# KiCad board PCB_C.kicad_pcb
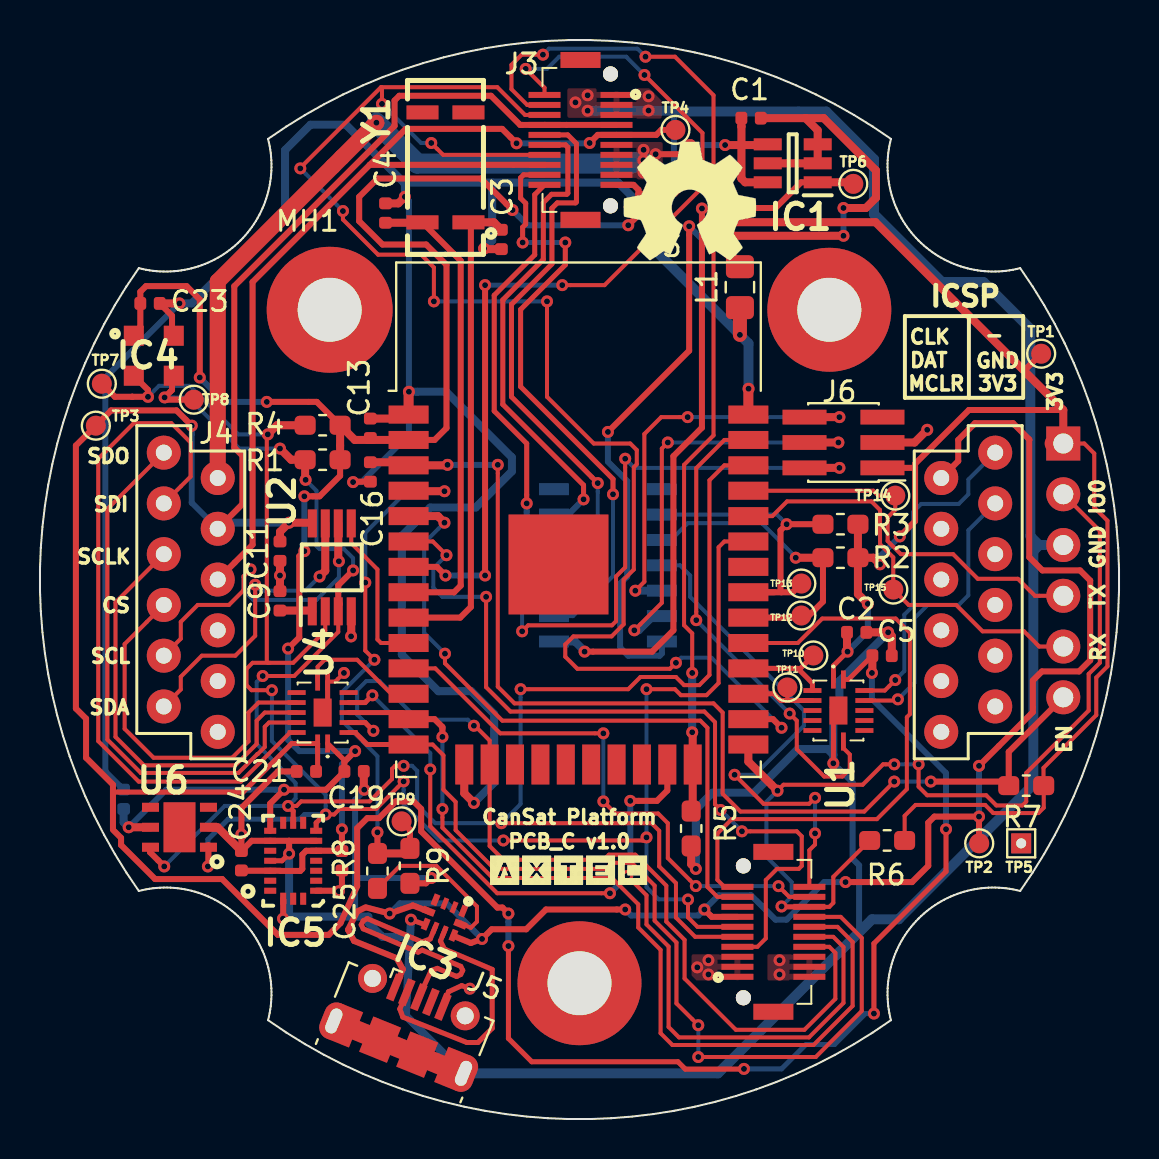
[diagram p0: board, top side]
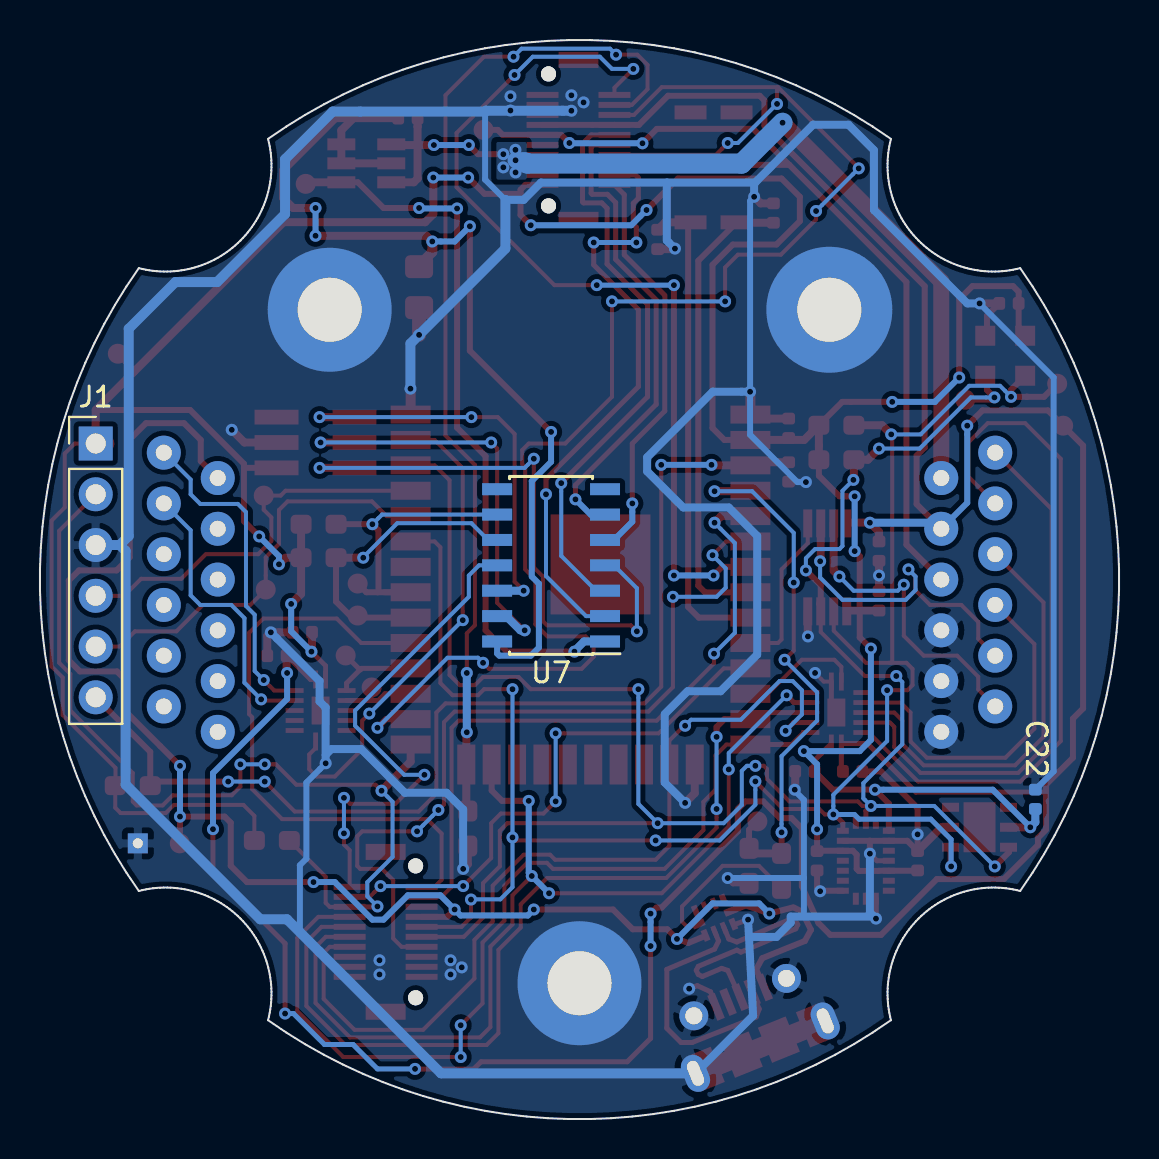
[diagram p1: board, bottom side, seen from below]

Outline 53.99 x 53.99 mm; copper layers: Top, Bottom. Coordinates in mm from the lower left corner of the outline.

## Placement (name value [footprint] x y rotation side)
C1  1uF  [C_0402_1005Metric]  35.58 50.08 180 top
C2  100nF  [C_0402_1005Metric]  40.86 24.35 0 top
C3  4.3pF  [C_0402_1005Metric]  23.08 44.01 270 top
C4  4.3pF  [C_0402_1005Metric]  17.29 45.33 90 top
C5  100nF  [C_0402_1005Metric]  42.13 23.18 0 top
C9  100nF  [C_0402_1005Metric]  12.01 25.93 90 top
C11  100nF  [C_0402_1005Metric]  12.01 28.42 270 top
C13  1uF  [C_0402_1005Metric]  16.53 34.56 270 top
C16  1uF  [C_0402_1005Metric]  16.53 32.38 90 top
C19  100nF  [C_0402_1005Metric]  15.72 17.39 0 top
C21  100nF  [C_0402_1005Metric]  13.33 17.39 180 top
C22  100nF  [C_0402_1005Metric]  4.19 16 90 bottom
C23  1uF  [C_0402_1005Metric]  5.51 40.81 180 top
C24  100nF  [C_0402_1005Metric]  10.08 12.92 90 top
C25  100nF  [C_0402_1005Metric]  15.11 12.92 270 top
IC1  MCP1501T-33E_CHY  [SOT95P270X145-6N]  37.66 47.82 180 top
IC3  BQ24392RSER  [RSE(R-PUQFN-N10)]  20.24 10.08 158 top
IC4  MS563702BA03-50  [MS5637_1]  5.69 38.19 0 top
IC5  BMX055  [LGA_PACKAGE_20_PINS]  12.67 12.92 180 top
J1  Conn_01x06  [PinHeader_1x06_P2.54mm_Vertical]  51.2 33.8 180 bottom
J3  Conector_PCB_B-C  [Conector_PCB_B-C_Lado_C]  26.99 26.99 0 top
J4  -  [Conector_Expansion_CanSat]  26.99 26.99 0 top
J5  USB_B_Micro  [USB_Micro-B_Molex-105017-0001]  18.41 4.74 338 top
J6  Conn_02x03_Counter_Clockwise  [PinHeader_2x03_P1.27mm_Vertical_SMD]  40.2 33.85 180 top
JP1  BOM_Jumper  [Empty_Footprint]  47.62 53.11 0 top
L1  Inductor  [L_0805_2012Metric_Pad1.15x1.40mm_HandSolder]  35.02 41.63 90 top
LOGO  -  [Logo_AXTEC]  22.52 13.74 0 top
M1  Spacer  [Empty_Footprint]  51 50.57 0 top
M2  Spacer  [Empty_Footprint]  50.5 50.57 0 top
M3  Spacer  [Empty_Footprint]  50 50.57 0 top
MH1  -  [MH_CanSat]  26.99 26.99 0 top
R1  10k  [R_0603_1608Metric_Pad1.05x0.95mm_HandSolder]  14.14 32.99 180 top
R2  10k  [R_0603_1608Metric_Pad1.05x0.95mm_HandSolder]  40.05 28.09 180 top
R3  10k  [R_0603_1608Metric_Pad1.05x0.95mm_HandSolder]  40.05 29.76 180 top
R4  10k  [R_0603_1608Metric_Pad1.05x0.95mm_HandSolder]  14.14 34.72 180 top
R5  100k  [R_0603_1608Metric_Pad1.05x0.95mm_HandSolder]  32.58 14.54 90 top
R6  100k  [R_0603_1608Metric_Pad1.05x0.95mm_HandSolder]  42.39 13.94 0 top
R7  100k  [R_0603_1608Metric_Pad1.05x0.95mm_HandSolder]  49.35 16.68 0 top
R8  5k6  [R_0603_1608Metric_Pad1.05x0.95mm_HandSolder]  16.89 12.42 90 top
R9  10k  [R_0603_1608Metric_Pad1.05x0.95mm_HandSolder]  18.51 12.67 270 top
REF**  -  [PCB_mayor_diametro]  26.99 26.99 0 top
REF**#2  -  [OSHW-Symbol_6.7x6mm_SilkScreen]  32.51 45.92 0 top
TP1  TestPoint_3V3int  [TestPoint_Pad_D1.0mm]  50.09 38.29 0 top
TP2  TestPoint_VBUS  [TestPoint_Pad_D1.0mm]  46.99 13.79 0 top
TP3  TestPoint_3V3ext  [TestPoint_Pad_D1.0mm]  2.79 34.69 0 top
TP4  TestPoint_5Vext  [TestPoint_Pad_D1.0mm]  31.79 49.49 0 top
TP5  TestPoint_GND  [TestPoint_THTPad_1.0x1.0mm_Drill0.5mm]  49.09 13.79 0 top
TP6  TestPoint_VREF  [TestPoint_Pad_D1.0mm]  40.69 46.79 0 top
TP7  TestPoint_SDAint  [TestPoint_Pad_D1.0mm]  3.09 36.79 0 top
TP8  TestPoint_SCLint  [TestPoint_Pad_D1.0mm]  7.69 35.99 0 top
TP9  TestPoint_CHGDTC  [TestPoint_Pad_D1.0mm]  18.09 14.89 0 top
TP10  TestPoint_RXard  [TestPoint_Pad_D1.0mm]  38.69 23.19 0 top
TP11  TestPoint_TXard  [TestPoint_Pad_D1.0mm]  37.39 21.59 0 top
TP12  TestPoint_SCLPIC  [TestPoint_Pad_D1.0mm]  38.09 25.19 0 top
TP13  TestPoint_SDAPIC  [TestPoint_Pad_D1.0mm]  38.09 26.79 0 top
TP14  TestPoint_TXDBG  [TestPoint_Pad_D1.0mm]  42.79 31.19 0 top
TP15  TestPoint_RXDBG  [TestPoint_Pad_D1.0mm]  42.69 26.49 0 top
U1  NTB0104BQ,115  [NTB0104BQ115]  39.95 20.44 270 top
U2  TCA9802DGKR  [SOP65P490X110-8N]  14.6 27.6 90 top
U3  -  [ESP32-WROOM-32]  26.94 26.99 0 top
U4  NTB0104BQ,115  [NTB0104BQ115]  14.14 20.34 90 top
U6  Si7006-A20-IM1  [SON100P300X300X80-7N]  6.98 14.6 180 top
U7  PIC16LF18325-ISL  [SOIC-14_3.9x8.7mm_P1.27mm]  28.42 27.71 0 bottom
Y1  LFXTAL016178  [LFXTAL016178_1]  20.29 47.62 90 top

## Footprints (pads in the part's own frame, mm; a bottom-side part is the same pattern mirrored in y, then rotated)
C_0402_1005Metric
  rrect 0.59x0.64 smd: 1(-0.485,0) 2(0.485,0)
Conector_Expansion_CanSat
  round 1.7 hole 0.8: 1(20.8,6.35) 2(20.8,3.81) 3(20.8,1.27) 4(20.8,-1.27) 5(20.8,-3.81) 6(20.8,-6.35) 7(18.1,5.08) 8(18.1,2.54) 9(18.1,0) 10(18.1,-2.54) 11(18.1,-5.08) 12(18.1,-7.62) 13(-18.1,5.08) 14(-18.1,2.54) 15(-18.1,0) 16(-18.1,-2.54) 17(-18.1,-5.08) 18(-18.1,-7.62) 19(-20.8,6.35) 20(-20.8,3.81) 21(-20.8,1.27) 22(-20.8,-1.27) 23(-20.8,-3.81) 24(-20.8,-6.35)
Conector_PCB_B-C_Lado_C
  rect 1.6x0.3 smd: 1(1.85,24.25) 2(1.85,23.75) 3(1.85,23.25) 4(1.85,22.75) 5(1.85,22.25) 6(1.85,21.75) 7(1.85,21.25) 8(1.85,20.75) 9(1.85,20.25) 10(1.85,19.75) 11(-1.75,19.75) 12(-1.75,20.25) 13(-1.75,20.75) 14(-1.75,21.25) 15(-1.75,21.75) 16(-1.75,22.25) 17(-1.75,22.75) 18(-1.75,23.25) 19(-1.75,23.75) 20(-1.75,24.25) 21(7.9,-19.878) 22(7.9,-19.378) 23(7.9,-18.878) 24(7.9,-18.378) 25(7.9,-17.878) 26(7.9,-17.378) 27(7.9,-16.878) 28(7.9,-16.378) 29(7.9,-15.878) 30(7.9,-15.378) 31(11.5,-15.378) 32(11.5,-15.878) 33(11.5,-16.378) 34(11.5,-16.878) 35(11.5,-17.378) 36(11.5,-17.878) 37(11.5,-18.378) 38(11.5,-18.878) 39(11.5,-19.378) 40(11.5,-19.878)
  rect 2x0.8 smd: 41(0.05,26) 42(0.05,18) 43(9.7,-21.628) 44(9.7,-13.628)
  round 0.75 hole 0.75: 45(1.55,25.3) 46(1.55,18.7) 47(8.2,-20.928) 48(8.2,-14.328)
ESP32-WROOM-32
  rect 2x0.9 smd: 1(-8.5,8.255) 2(-8.5,6.985) 3(-8.5,5.715) 4(-8.5,4.445) 5(-8.5,3.175) 6(-8.5,1.905) 7(-8.5,0.635) 8(-8.5,-0.635) 9(-8.5,-1.905) 10(-8.5,-3.175) 11(-8.5,-4.445) 12(-8.5,-5.715) 13(-8.5,-6.985) 14(-8.5,-8.255) 25(8.5,-8.255) 26(8.5,-6.985) 27(8.5,-5.715) 28(8.5,-4.445) 29(8.5,-3.175) 30(8.5,-1.905) 31(8.5,-0.635) 32(8.5,0.635) 33(8.5,1.905) 34(8.5,3.175) 35(8.5,4.445) 36(8.5,5.715) 37(8.5,6.985) 38(8.5,8.255)
  rect 0.9x2 smd: 15(-5.715,-9.255) 16(-4.445,-9.255) 17(-3.175,-9.255) 18(-1.905,-9.255) 19(-0.635,-9.255) 20(0.635,-9.255) 21(1.905,-9.255) 22(3.175,-9.255) 23(4.445,-9.255) 24(5.715,-9.255)
  rect 5x5 smd: 39(-1,0.755)
L_0805_2012Metric_Pad1.15x1.40mm_HandSolder
  rrect 1.15x1.4 smd: 1(-1.025,0) 2(1.025,0)
LFXTAL016178_1
  rect 0.7x1.6 smd: 1(-2.75,-1.15) 2(2.75,-1.15) 3(2.75,1.15) 4(-2.75,1.15)
LGA_PACKAGE_20_PINS
  rect 0.6x0.3 smd: 1(1.15,1.5) 2(1.15,1) 3(1.15,0.5) 4(1.15,0) 5(1.15,-0.5) 6(1.15,-1) 7(1.15,-1.5) 11(-1.15,-1.5) 12(-1.15,-1) 13(-1.15,-0.5) 14(-1.15,0) 15(-1.15,0.5) 16(-1.15,1) 17(-1.15,1.5)
  rect 0.3x0.6 smd: 8(0.5,-1.9) 9(0,-1.9) 10(-0.5,-1.9) 18(-0.5,1.9) 19(0,1.9) 20(0.5,1.9)
MH_CanSat
  round 6.3 hole 3.2: 1(-12.5,13.5)
  round 6.2 hole 3.2: 2(12.5,13.5) 3(0,-20.2)
MS5637_1
  rect 1x1 smd: 1(-1,1) 2(-1,-1) 3(1,-1) 4(1,1)
NTB0104BQ115
  rect 0.9x0.24 smd: 1(-1.55,-0.25) 7(1.55,-0.25) 8(1.55,0.25) 14(-1.55,0.25)
  rect 0.24x0.9 smd: 2(-1,-1.3) 3(-0.5,-1.3) 4(0,-1.3) 5(0.5,-1.3) 6(1,-1.3) 9(1,1.3) 10(0.5,1.3) 11(0,1.3) 12(-0.5,1.3) 13(-1,1.3)
  rect 1.4x0.9 smd: 15(0,0)
PinHeader_1x06_P2.54mm_Vertical
  rect 1.7x1.7 hole 1: 1(0,0)
  oval 1.7x1.7 hole 1: 2(0,-2.54) 3(0,-5.08) 4(0,-7.62) 5(0,-10.16) 6(0,-12.7)
PinHeader_2x03_P1.27mm_Vertical_SMD
  rect 2.2x0.74 smd: 1(-1.95,1.27) 2(1.95,1.27) 3(-1.95,0) 4(1.95,0) 5(-1.95,-1.27) 6(1.95,-1.27)
R_0603_1608Metric_Pad1.05x0.95mm_HandSolder
  rrect 1.05x0.95 smd: 1(-0.875,0) 2(0.875,0)
RSE(R-PUQFN-N10)
  rect 0.3x0.58 smd: 1(-0.75,-0.655) 4(0.75,-0.655) 6(0.75,0.655) 9(-0.75,0.655)
  rect 0.25x0.58 smd: 2(-0.25,-0.655) 3(0.25,-0.655) 7(0.25,0.655) 8(-0.25,0.655)
  rect 0.63x0.35 smd: 5(0.86,0) 10(-0.86,0)
SOIC-14_3.9x8.7mm_P1.27mm
  rect 1.5x0.6 smd: 1(-2.7,3.81) 2(-2.7,2.54) 3(-2.7,1.27) 4(-2.7,0) 5(-2.7,-1.27) 6(-2.7,-2.54) 7(-2.7,-3.81) 8(2.7,-3.81) 9(2.7,-2.54) 10(2.7,-1.27) 11(2.7,0) 12(2.7,1.27) 13(2.7,2.54) 14(2.7,3.81)
SON100P300X300X80-7N
  rect 0.85x0.45 smd: 1(-1.45,1) 2(-1.45,0) 3(-1.45,-1) 4(1.45,-1) 5(1.45,0) 6(1.45,1)
  rect 1.6x2.5 smd: 7(0,0)
SOP65P490X110-8N
  rect 1.4x0.45 smd: 1(-2.2,0.975) 2(-2.2,0.325) 3(-2.2,-0.325) 4(-2.2,-0.975) 5(2.2,-0.975) 6(2.2,-0.325) 7(2.2,0.325) 8(2.2,0.975)
SOT95P270X145-6N
  rect 1.4x0.6 smd: 1(-1.25,0.95) 2(-1.25,0) 3(-1.25,-0.95) 4(1.25,-0.95) 5(1.25,0) 6(1.25,0.95)
TestPoint_Pad_D1.0mm
  round 1 smd: 1(0,0)
TestPoint_THTPad_1.0x1.0mm_Drill0.5mm
  rect 1x1 hole 0.5: 1(0,0)
USB_Micro-B_Molex-105017-0001
  rect 0.4x1.35 smd: 1(-1.3,1.462) 2(-0.65,1.462) 3(0,1.462) 4(0.65,1.462) 5(1.3,1.462)
  oval 1.2x1.9 hole 0.6x1.3: 6(-3.5,-1.238) 6(3.5,-1.238)
  rect 1.2x1.9 smd: 6(-2.9,-1.238) 6(2.9,-1.238)
  round 1.45 hole 0.85: 6(-2.5,1.462) 6(2.5,1.462)
  rect 1.5x1.9 smd: 6(-1,-1.238) 6(1,-1.238)

## Nets
+3V3: C5.1 C11.1 C21.1 J3.4 J3.17 J4.14 TP3.1 U1.14 U2.8 U4.14
+3V3_Internal: C2.1 C9.1 C13.2 C19.1 C22.1 C23.2 C24.1 C25.1 IC4.1 IC5.3 IC5.7 IC5.13 J1.1 J3.10 J6.1 R1.1 R2.1 R3.1 R4.1 R6.2 R7.2 TP1.1 U1.1 U2.1 U3.2 U4.1 U6.5
+5V: J3.5 J3.13 J4.15 TP4.1
GND: C2.2 C3.2 C4.2 C5.2 C9.2 C11.2 C13.1 C16.1 C19.2 C21.2 C22.2 C23.1 C24.2 C25.2 IC3.6 IC4.4 IC5.4 IC5.6 IC5.12 IC5.17 IC5.20 J1.3 J3.1 J3.2 J3.3 J3.21 J3.22 J3.23 J3.38 J3.39 J3.40 J4.16 J4.17 J4.18 J5.5 J5.6 J6.3 L1.1 MH1.1 MH1.2 MH1.3 R5.1 R9.2 TP5.1 U1.7 U1.15 U2.4 U3.1 U3.15 U3.38 U4.7 U4.15 U6.2
GNDA: C1.1 IC1.2 IC1.3 IC1.5 L1.2 U7.14
VBUS: IC3.5 IC3.9 J3.27 J4.7 J5.1 TP2.1
+BATT: C1.2 IC1.4 IC1.6 J3.6 J3.7 J3.8 J3.9 J4.13
/+VREF: IC1.1 TP6.1 U7.1
/AUX_ENABLE: J3.14 J3.18 U3.26
/CHG: J3.29 U3.5
/CHG_DETECT: R8.2 R9.1 TP9.1 U3.4
/CS: J3.36 U3.23 U4.5
/EN: C16.2 J1.6 R7.1 U3.3
/EXT_CS: J4.22 U4.10
/EXT_IO0: J4.1 U1.13
/EXT_IO1: J4.2 U1.12
/EXT_MISO: J4.20 U4.13
/EXT_MOSI: J4.19 U4.12
/EXT_SCLK: J4.21 U4.11
/GPIO0: J1.2 J3.33 R6.1 U3.25
/GPOUT: J3.24 U3.6
/GPS_TX: J3.20 U3.7
/I2C_EN: U2.5 U3.10
/I_SENSE_3V3: J3.16 U7.3
/I_SENSE_5V: J3.12 U7.2
/I_SENSE_BATT: J3.31 U7.11
/ICSDAT: J6.4 U7.13
/ICSPCLK: J6.6 U7.12
/IMU/ACC_INT: IC5.1
/IMU/GYRO_INT: IC5.14
/IMU/MAG_INT: IC5.10
/IO_EN: U1.8 U3.37
/ISET: J3.30 U3.29
/MCLR: J6.2 U7.4
/P1: J3.19 R5.2 U3.24
/RX_ARDUINO: TP10.1 U1.2 U3.28
/RX_DEBUG: J1.5 TP15.1 U3.34
/S_GLOBO: J3.32 U3.11
/SCL: IC4.3 IC5.9 J3.25 R1.2 TP8.1 U2.3 U3.36 U6.6
/SCL_EXT: J4.23 U2.6
/SCL_PIC16: R2.2 TP12.1 U3.30 U7.10
/SCLK: J3.35 U3.13 U4.4
/SDA: IC4.2 IC5.11 J3.26 R4.2 TP7.1 U2.2 U3.33 U6.1
/SDA_EXT: J4.24 U2.7
/SDA_PIC16: R3.2 TP13.1 U3.31 U7.9
/SDI: J3.37 U3.16 U4.3
/SDO: J3.34 U3.14 U4.2
/SPI_BUFFER_EN: U3.12 U4.8
/TX_ARDUINO: TP11.1 U1.3 U3.27
/TX_DEBUG: J1.4 TP14.1 U3.35
/V_SENSE_3V3: J3.15 U7.6
/V_SENSE_5V: J3.11 U7.5
Net-(C3-Pad1): C3.1 U3.9 Y1.1
Net-(C4-Pad1): C4.1 U3.8 Y1.4
Net-(IC3-Pad1): IC3.1
Net-(IC3-Pad2): IC3.2
Net-(IC3-Pad3): IC3.3
Net-(IC3-Pad4): IC3.4
Net-(IC3-Pad7): IC3.7 J5.3
Net-(IC3-Pad8): IC3.8 J5.2
Net-(IC3-Pad10): IC3.10 R8.1
Net-(IC5-Pad2): IC5.2
Net-(IC5-Pad5): IC5.5
Net-(IC5-Pad8): IC5.8
Net-(IC5-Pad15): IC5.15
Net-(IC5-Pad16): IC5.16
Net-(IC5-Pad18): IC5.18
Net-(IC5-Pad19): IC5.19
Net-(J3-Pad28): J3.28
Net-(J3-Pad41): J3.41
Net-(J3-Pad42): J3.42
Net-(J3-Pad43): J3.43
Net-(J3-Pad44): J3.44
Net-(J4-Pad3): J4.3
Net-(J4-Pad4): J4.4
Net-(J4-Pad5): J4.5
Net-(J4-Pad6): J4.6
Net-(J4-Pad8): J4.8
Net-(J4-Pad9): J4.9
Net-(J4-Pad10): J4.10
Net-(J4-Pad11): J4.11
Net-(J4-Pad12): J4.12
Net-(J5-Pad4): J5.4
Net-(J6-Pad5): J6.5
Net-(U1-Pad4): U1.4
Net-(U1-Pad5): U1.5
Net-(U1-Pad6): U1.6
Net-(U1-Pad9): U1.9
Net-(U1-Pad10): U1.10
Net-(U1-Pad11): U1.11
Net-(U3-Pad17): U3.17
Net-(U3-Pad18): U3.18
Net-(U3-Pad19): U3.19
Net-(U3-Pad20): U3.20
Net-(U3-Pad21): U3.21
Net-(U3-Pad22): U3.22
Net-(U3-Pad32): U3.32
Net-(U4-Pad6): U4.6
Net-(U4-Pad9): U4.9
Net-(U6-Pad3): U6.3
Net-(U6-Pad4): U6.4
Net-(U6-Pad7): U6.7
Net-(U7-Pad7): U7.7
Net-(U7-Pad8): U7.8
Net-(Y1-Pad2): Y1.2
Net-(Y1-Pad3): Y1.3

Pads without a net: J3 45 46 47 48; U3 39

## Via types
v1: diameter 0.6, hole 0.3, Top to Bottom, 182 vias

## Routing (per net, layer and track width the routed paths; a pad name or vN(x,y) marks a point on that pad's centre or on a via; arc(x,y) is an arc through that point)
+3V3: length 168.4
  Top w0.2: 35.22,2.5 v1(35.22,2.51) ; 3.68,16.36 3.65,16.33
  Top w0.24: U1.14 40.46,21.99 C5.1
  Top w0.25: v1(23.44,8.66) 23.44,4.03 24.61,2.86 31.92,2.86 32.29,2.5 35.21,2.5 35.22,2.5 ; 3.68,16.36 10.16,16.36 12.59,18.79 U4.14 13.89,17.47 C21.1 ; v1(45.33,14.5) 45.33,12.39 41.73,8.78 v1(41.73,5.28) ; 3.65,14.47 3.73,14.4
  Top w0.3: J4.14 10.13,30.77 10.13,33.19 9.72,33.6 9.72,41.68 17.74,49.69 17.74,50.96 17.98,51.2 22.57,51.2 24.02,49.74 J3.17 J3.4 ; 3.73,14.4 4.06,14.07 4.06,13.71 5.76,12.01 9.11,12.01 11.91,9.21 14.45,9.21 15.04,9.8 15.87,11.65 15.87,14.55 16.38,15.06 16.96,15.06 17.8,15.89 18.69,15.89 19.07,15.52 19.07,14.39 22.88,10.58 23.14,10.58 v1(23.44,10.28) ; v1(7.59,34.69) 6.83,35.46 3.56,35.46 1.8,33.7 1.8,20.54 2.31,20.04 2.31,18.08 3.65,16.73 3.65,14.47
  Top w0.4: U2.8 13.59,29.84 v1(12.47,29.84) 12.01,29.38 C11.1 ; C5.1 41.65,22.34 v1(41.63,22.32)
  Bottom w0.25: v1(35.22,2.51) 37.1,2.51 38.32,3.73 39.75,3.73 41.3,5.28 v1(41.73,5.28)
  Bottom w0.3: v1(23.44,10.28) v1(23.44,8.66) ; v1(45.33,14.5) 45.33,17.31 41.63,21.02 v1(41.63,22.32) ; v1(7.59,34.69) 7.59,30.83 J4.14 9.57,29.53
  Bottom w0.4: v1(12.47,29.84) 9.2,29.84 J4.14
+3V3_Internal: length 197.1
  Top w0.2: J1.1 52.25,33.8 52.75,33.3 52.75,30.6 53.41,29.94 53.41,22.65 52.85,22.09 52.85,20.21 50.21,17.57 50.21,16.69 R7.2 50.22,15.58 49.96,15.31 47.7,15.31 47.29,15.72 43.81,15.72 43.26,15.17 R6.2 ; 12.02,12.42 12.03,12.42
  Top w0.24: v1(40.41,23.39) 39.7,22.68 U1.1
  Top w0.25: 4.91,39.22 4.91,39.22 ; C19.1 15.23,17.95 U4.1 ; 13.82,13.43 IC5.13 ; IC5.7 11.37,14.42 ; 10.09,12.42 C24.1
  Top w0.3: IC5.13 13.32,13.42 13.13,13.23 13.13,12.52 13.02,12.42 12.03,12.42 ; J6.1 43.78,32.58 ; 43.78,32.58 43.78,32.79 46.48,35.48 51.2,35.48 ; 43.78,32.58 43.78,29.92 v1(43.02,29.15) ; v1(15.11,14.5) C25.1 ; v1(32.57,47.11) 31.75,46.29 29.94,46.29 ; 4.61,39.22 5.02,39.64 C23.2 5.02,41.39 5.3,41.68 7.34,41.68 8,41.02 v1(8,37.1) ; IC5.7 11.52,15.79 v1(12.21,16.48) 14.32,16.48 C19.1 15.23,17.87 v1(15.77,18.41) ; v1(11.35,35.88) 13.85,35.88 R4.1 ; U3.2 19.74,33.98 20.34,34.58 20.34,42.74 19.32,43.76 17.14,43.76 15.97,44.93 15.97,46.15 16.89,47.06 22.07,47.06 v1(23.64,45.49) ; 29.94,46.29 29.94,45.24 v1(29.43,44.72) ; 29.94,46.29 29.94,46.5 29.7,46.74 J3.10 ; R1.1 15.02,32.19 13.99,31.16 v1(13.23,31.16) ; 12.02,12.42 IC5.3 10.09,12.42 ; v1(13.23,28.42) 12.97,28.16 12.97,24.1 v1(12.42,23.54) ; 15.13,13.43 13.82,13.43 ; 49.29,37.38 49.29,37.49 TP1.1
  Top w0.4: 15.02,32.74 R4.1 15.75,33.98 U3.2 ; U2.1 13.59,25.44 C9.1 ; J1.1 51.2,35.48 41.8,44.88 34.72,44.88 34.31,45.28 v1(34.31,47.11) ; C2.1 40.38,23.42 v1(40.41,23.39) ; U6.5 v1(4.44,14.6) ; v1(42.03,27.76) 41.7,28.09 R2.1 ; R2.1 40.93,26.27 v1(41.42,25.78) ; R2.1 R3.1
  Top w1: 50.77,33.8 51.23,33.8
  Bottom w0.3: v1(12.21,16.48) 6.32,16.48 v1(4.44,14.6) ; v1(40.41,23.39) 41.42,24.4 v1(41.42,25.78) ; v1(29.43,44.72) 24.4,44.72 v1(23.64,45.49) ; v1(11.35,35.88) 9.21,35.88 v1(8,37.1) ; v1(42.03,27.76) 42.03,28.16 v1(43.02,29.15) ; v1(15.11,14.5) 15.11,17.75 v1(15.77,18.41) 12.97,18.41 12.42,18.97 v1(12.42,23.54) ; v1(13.23,28.42) v1(13.23,31.16) ; v1(32.57,47.11) v1(34.31,47.11)
  Bottom w0.4: C22.1 4.19,14.85 v1(4.44,14.6)
+5V: length 49.3
  Top w0.3: J4.15 10.64,28.74 10.64,41.88 16.5,47.74 ; 16.5,47.74 18.3,49.55 23.12,49.55 v1(23.85,48.82) ; 16.5,47.74 J3.13 ; TP4.1 31.09,49.49 30.84,49.24 J3.5 27.91,49.24 v1(27.5,48.84)
  Bottom w0.3: v1(23.85,48.82) 27.49,48.82 v1(27.5,48.84)
GND: length 326.9
  Top w0.2: v1(15.21,22.32) 14.78,21.89 U4.7 ; 14.39,20.59 U4.15
  Top w0.24: U1.7 39.7,20.19 U1.15 ; v1(39.69,17.8) 39.7,17.8 39.7,17.86
  Top w0.25: v1(21.51,6.52) 21.1,6.67 20.44,6.37 19.98,5.25 ; v1(12.47,13.28) 12.11,12.92 IC5.4 ; 39.7,17.86 U1.7 ; U4.7 14.39,20.59 ; 19.27,9.72 v1(18.56,9.98)
  Top w0.3: C21.2 11.91,17.39 10.08,15.56 v1(10.08,14.24) C24.2 10.59,13.92 IC5.6 12.47,13.92 ; IC5.17 14.93,11.42 v1(14.96,11.4) 15.11,11.55 C25.2 ; v1(15.67,31.87) 15.69,31.89 C16.1 ; 12.47,13.92 IC5.12 ; 12.47,13.92 v1(12.47,13.28) ; 6.61,39.22 6.61,40.2 C23.1 ; IC5.20 12.17,10.04 v1(12.16,10.03) ; v1(19.58,12.06) 19.31,11.79 R9.2
  Top w0.4: C9.2 v1(12.01,27.2) C11.2 ; J6.3 43.76,33.85 v1(44.39,34.49) ; C13.1 18.24,35.05 U3.1 ; U6.2 8.89,14.6 C24.2 ; v1(16.23,16.48) 16.2,16.5 C19.2 ; C4.2 17.93,45.82 v1(18.26,46.15) ; C5.2 42.62,24.17 v1(42.44,24.35) 41.42,24.35 ; R5.1 32.58,12.75 v1(32.82,12.52) ; v1(21.71,15.82) 21.23,16.3 U3.15 ; U2.4 15.57,24.16 v1(15.56,24.15) ; v1(22.22,43.56) 22.25,43.53 C3.2 ; C23.1 v1(6.98,40.81)
  Top w0.5: U3.1 18.44,36.38 v1(18.46,36.39) ; v1(35.45,36.55) 35.44,36.54 U3.38
  Top w0.7: L1.1 v1(35.02,39.24)
  Top w1: 21.15,2.26 14.7,4.9
  Bottom w0.3: v1(15.67,31.87) 16.09,31.87 18.46,34.24 v1(18.46,36.39) 18.46,45.94 v1(18.26,46.15) ; 30.7,45.99 31.72,47.01 31.72,50.41 ; 15.77,12.06 15.77,15.97 16.23,16.43 v1(16.23,16.48) ; 15.77,12.06 v1(19.58,12.06) ; 15.77,12.06 15.77,10.13 ; v1(39.69,17.8) 40.66,16.83 40.66,13.02 40.99,12.7 40.99,9.35 40,8.36 ; C22.2 3.27,17.4 3.27,37.1 v1(6.98,40.81)
  Bottom w0.4: 18.21,46.86 18.26,46.81 v1(18.26,46.15) ; 18.21,46.86 15.31,49.75 13.53,49.75 12.26,48.48 12.26,45.49 7.59,40.81 v1(6.98,40.81) ; 18.21,46.86 22.63,46.86 ; 39.69,18.22 39.69,20.59 40,20.9 40,21.91 v1(42.44,24.35) ; 39.69,18.22 39.41,18.51 37.92,18.51 35.73,16.33 33.65,16.33 32.82,15.49 v1(32.82,12.52) ; 39.69,18.22 v1(39.69,17.8) ; 22.63,46.86 28.93,46.86 29.79,45.99 30.7,45.99 ; 22.63,46.86 22.63,43.96 v1(22.22,43.56) ; J5.6 18.31,5.17 18.52,9.11 ; v1(18.46,36.39) 20.33,36.39 23.61,33.11 23.61,32.41 21.8,30.6 19.53,30.6 18.1,29.18 18.1,23.24 19.93,21.41 21.58,21.41 22.73,20.26 22.73,16.83 v1(21.71,15.82) ; 8.96,19.37 J4.18 ; v1(18.56,9.98) 18.52,9.11 ; 18.52,9.11 17.14,9.11 16.43,9.82 16.43,10.13 12.26,10.13 v1(12.16,10.03) 12.47,10.33 v1(12.47,13.28)
  Bottom w0.5: 9,24.56 J4.16 ; J5.6 33.92,2.29 41.63,10 42.96,10 49.7,16.73 49.7,28.43 50,28.72 ; 50,28.72 J1.3 ; 50,28.72 49.55,29.17 49.55,39.54 47.21,41.88 45.13,41.88 41.73,45.28 41.73,48.03 39.34,50.41 31.72,50.41 31.68,50.45 v1(27.4,50.45) ; 30.7,45.99 30.7,43.56 v1(35.02,39.24) 35.45,38.81 v1(35.45,36.55)
  vias: v1(26.79,50.87) v1(27.4,51.23) v1(30.45,51.18) v1(30.45,50.46) v1(32.89,7.59) v1(33.45,7.94) v1(33.45,7.23) v1(37,7.94) v1(37,7.23)
GNDA: length 52.2
  Top w0.3: v1(28.42,34.38) 32.48,38.45 v1(32.48,44.67)
  Top w0.4: 38.3,50.08 39.21,50.08 41.83,47.47 41.83,46.1 41.32,45.59 v1(40.2,45.59) ; 38.3,50.08 C1.1 ; 38.3,50.08 38.3,50.08 38.91,49.47 IC1.3 IC1.2 IC1.5 ; v1(34.36,43.91) 34.65,44.2 v1(40.2,44.2)
  Top w0.5: v1(34.36,43.91) 34.36,43.38 34.97,42.77
  Bottom w0.3: v1(32.48,44.67) 33.24,43.91 v1(34.36,43.91) ; v1(40.2,45.59) v1(40.2,44.2) ; v1(28.42,34.38) 28.42,32.89 29.38,31.92 29.38,27.15 29.03,26.79 29.03,23.59 29.43,23.18 31.01,23.18 31.12,23.3 U7.14
VBUS: length 81
  Top w0.3: 21.97,8.96 21.56,8.81 20.7,9.16 ; 17.6,6.22 18.16,7.49 17.85,8.05 15.72,8.91 15.41,9.47 15.87,10.38 16.28,10.59 ; J4.7 45.94,32.92 45.94,33.98 46.78,34.82 48.69,34.82 49.5,34.01 49.5,28.11 50.16,27.45 52.04,27.45 52.55,26.94 52.55,22.95 51.99,22.4 50.13,22.4 49.68,21.94 49.68,20.37 v1(46.98,17.67) ; v1(33.24,10.48) 33.61,10.12 J3.27 ; v1(22.12,9.01) 22.6,9.49 24.33,9.49 25.32,10.48 v1(29.28,10.48) ; 16.33,10.59 v1(17.5,10.28) 18.66,10.69 19.58,10.33 ; v1(40.3,11.86) 43.63,11.86 44.44,12.67 44.44,14.83 44.75,15.13 v1(46.98,15.13) 46.98,13.81 TP2.1
  Bottom w0.3: v1(40.3,11.86) 39.24,11.86 37.36,9.98 36.8,9.98 35.58,11.2 33.95,11.2 v1(33.24,10.48) 32.94,10.18 29.58,10.18 v1(29.28,10.48) ; v1(17.5,10.28) 18,10.79 20.34,10.79 v1(22.12,9.01) ; v1(46.98,17.67) v1(46.98,15.13)
+BATT: length 45.7
  Top w0.3: v1(32.53,48.74) 32.07,48.28 v1(30.8,48.28)
  Top w0.4: 35.1,48.74 35.1,47.07 35.1,47.06 35.29,46.87 IC1.6 ; 35.1,48.74 36.38,48.74 IC1.4 ; 35.1,48.74 v1(34.28,48.74) 34.32,48.77 ; 35.1,48.74 35.1,49.66 35.1,49.66 C1.2 ; 15.01,48.13 15.11,48.13
  Top w0.8: J4.13 8.89,41.91 v1(16.83,49.85)
  Bottom w0.3: v1(32.53,48.74) v1(34.28,48.74)
  Bottom w0.8: 29.65,47.86 29.77,47.98 v1(30.2,47.98)
  Bottom w1: 29.65,47.86 29.6,47.81 18.88,47.81 v1(16.83,49.85)
  vias: v1(30.2,48.5) v1(30.2,47.37) v1(30.8,47.62)
/+VREF: length 36.5
  Top w0.3: v1(33.12,45.56) 33.12,34.59 31.69,33.17 31.69,24.45 30.63,23.39 v1(27.25,23.39) ; v1(35.02,45.59) 36.8,45.59 38.08,46.87 IC1.1 ; 40.62,46.87 TP6.1
  Top w0.4: IC1.1 40.62,46.87
  Bottom w0.3: v1(33.12,45.56) 35,45.56 v1(35.02,45.59) ; 27.25,23.41 v1(27.25,23.39)
  Bottom w0.4: U7.1 26.77,23.9 27.25,23.41
/AUX_ENABLE: length 78.9
  Top w0.2: v1(17.11,50.8) 17.11,51.61 17.09,51.63 ; v1(19.58,48.84) 20.17,48.24 J3.14 ; v1(19.71,40.91) 19.71,42.61 19.07,43.25 16.92,43.25 15.16,45.01 v1(15.16,45.44) 15.06,45.33 ; v1(13.02,47.57) 13.02,47.59 17.06,51.63 17.09,51.63 ; v1(25.37,40.91) 25.37,36.14 27.71,33.8 29.53,33.8 29.86,33.48 29.86,32.76 29.71,32.61 29.71,27.5 29.2,26.99 29.2,24.75 28.6,24.15 26.69,24.15 26.28,23.74 26.28,23.13 26.89,22.53 31.52,22.53 v1(31.82,22.83) ; 17.09,51.63 22.88,51.63 24.27,50.24 J3.18
  Top w0.3: U3.26 36.67,20.01 v1(37.1,19.58)
  Bottom w0.2: v1(19.71,40.91) v1(25.37,40.91) ; v1(31.82,22.83) 32.07,23.08 33.6,23.08 v1(37.1,19.58) ; v1(15.16,45.44) v1(13.02,47.57) ; v1(17.11,50.8) 17.11,50.8 19.07,48.84 v1(19.58,48.84)
/CHG: length 34
  Top w0.2: v1(20.26,23.29) 20.26,22.8 23.13,19.93 33.04,19.93 33.4,19.58 33.4,11.62 33.89,11.12 J3.29
  Top w0.4: U3.5 19.91,30.17 v1(20.24,29.84)
  Bottom w0.2: v1(20.24,29.84) 19.22,28.82 19.22,24.33 v1(20.26,23.29)
/CHG_DETECT: length 27.5
  Top w0.2: v1(16.73,22.98) 16.28,23.44 16.28,26.8 16.3,26.82 v1(16.28,26.84)
  Top w0.3: TP9.1 18.51,14.48 R9.1 18.26,13.29 ; v1(16.89,14.35) R8.2
  Top w0.4: R8.2 18.26,13.29 ; U3.4 18.47,31.41 v1(20.24,31.41)
  Bottom w0.2: v1(16.28,26.84) 16.28,29.33 18.36,31.41 v1(20.24,31.41) ; v1(16.73,22.98) 15.11,21.36 15.11,19.93 16.89,18.16 v1(16.89,14.35)
/CS: length 50.7
  Top w0.2: J3.36 39.69,9.12 40.2,8.61 40.2,5.81 38.48,4.08 31.97,4.08 31.45,4.6 31.45,8.63 30.35,9.74 30.35,11.2 v1(29.38,12.16) ; v1(19.53,17.5) 19.53,14.65 22.88,11.3 v1(28.52,11.3)
  Top w0.25: U4.5 16.27,20.84 v1(16.63,21.2)
  Top w0.3: v1(29.53,15.92) 30.87,15.92 31.39,16.44 U3.23
  Bottom w0.2: v1(16.63,21.2) 19.53,18.31 v1(19.53,17.5)
  Bottom w0.3: v1(28.52,11.3) v1(29.38,12.16) 29.53,12.31 v1(29.53,15.92)
/EN: length 54.3
  Top w0.2: v1(42.74,16.89) 41.24,15.39 35.05,15.39 34.16,16.28 34.16,20.34 33.7,20.8 23.74,20.8 22.91,21.64 v1(22.91,32.74)
  Top w0.3: J1.6 48.47,18.37 R7.1 48.27,16.89 v1(44.57,16.89) ; 20.37,32.71 v1(20.39,32.74)
  Top w0.4: 20.37,32.71 U3.3 18.29,32.86 C16.2
  Bottom w0.2: v1(44.57,16.89) v1(42.74,16.89)
  Bottom w0.3: v1(20.39,32.74) v1(22.91,32.74)
/EXT_CS: length 18.2
  Top w0.2: J4.22 4.24,23.77 4.24,19.53 5.68,18.08 9.62,18.08 10.43,18.9 10.43,20.34 10.93,20.84 U4.10
/EXT_IO0: length 16.3
  Top w0.2: U1.13 42.27,21.44 v1(42.79,21.97)
  Bottom w0.2: J4.1 46.45,32 46.45,31.26 45.97,30.78 44.09,30.78 43.68,30.37 43.68,25.67 43.25,25.24 43.25,22.42 v1(42.79,21.97)
/EXT_IO1: length 14.4
  Top w0.2: U1.12 42.87,20.94 v1(42.92,21)
  Bottom w0.2: J4.2 46.45,29.46 46.45,26.21 45.97,25.72 44.42,25.72 43.76,25.06 43.76,21.83 v1(42.92,21)
/EXT_MISO: length 35.3
  Top w0.2: J4.20 7.54,32.15 7.54,33.85 6.57,34.82 4.69,34.82 2.92,33.04 2.92,18.91 4.94,16.89 10.06,16.89 12.51,19.34 U4.13
/EXT_MOSI: length 27.3
  Top w0.2: U4.12 11.46,19.84 11.25,19.63 11.25,18.61 10.89,18.26 10.87,18.26 9.93,17.32 5.04,17.32 3.37,18.99 3.37,30.52 J4.19
/EXT_SCLK: length 21.6
  Top w0.2: U4.11 11.25,20.34 10.84,19.93 10.84,18.77 9.77,17.7 5.2,17.7 3.78,19.12 3.78,25.85 J4.21
/GPIO0: length 48.5
  Top w0.2: R6.1 39.69,12.12 39.69,10.82 39.49,10.62 J3.33 ; 37.12,10.62 v1(37.1,10.64) ; v1(42.74,17.75) 42.18,17.75 41.16,16.73 37.2,16.73 v1(36.9,16.43) ; J1.2 53.03,29.43 53.03,22.83 52.47,22.27 52.47,20.44 49.35,17.32 49.35,15.88 49.16,15.69 47.85,15.69 47.34,16.2 44.39,16.2 43.96,16.63 v1(43.96,17.75)
  Top w0.25: J3.33 37.12,10.62
  Top w0.4: v1(36.9,16.43) 35.44,17.89 U3.25
  Bottom w0.2: v1(43.96,17.75) v1(42.74,17.75) ; v1(36.9,16.43) 36.35,15.87 36.35,13.12 37.61,11.85 37.61,11.15 v1(37.1,10.64)
/GPOUT: length 40.8
  Top w0.2: v1(20.34,28.21) 19.65,28.9 U3.6 ; J3.24 35.89,8.62 36.32,9.04 36.32,11.96 36.88,12.52 37.97,12.52 38.11,12.66 38.11,14.15 37.87,14.4 v1(35.12,14.4) ; v1(34.06,15.46) 33.78,15.74 33.78,19.86 33.24,20.39 23.54,20.39 22.32,21.61 v1(22.32,26.13)
  Bottom w0.2: v1(34.06,15.46) v1(35.12,14.4) ; v1(20.34,28.21) 19.68,27.55 19.68,26.59 20.14,26.13 v1(22.32,26.13)
/GPS_TX: length 46.5
  Top w0.2: v1(26.13,41.73) 28.25,41.73 33.15,46.63 33.15,49.34 v1(30.25,52.24) ; J3.20 25.24,51.6 v1(24.3,52.55)
  Top w0.3: U3.7 19.86,27.63 v1(20.29,27.2) ; v1(22.27,27.2) v1(22.27,41.73)
  Bottom w0.2: v1(30.25,52.24) 29.33,53.16 25.98,53.16 25.37,52.55 v1(24.3,52.55)
  Bottom w0.25: v1(22.27,41.73) v1(26.13,41.73)
  Bottom w0.3: v1(20.29,27.2) v1(22.27,27.2)
/I2C_EN: length 8
  Top w0.2: U2.5 15.57,28.81 16.89,27.5 16.89,24 17.06,23.82 U3.10
/I_SENSE_3V3: length 29
  Top w0.25: v1(27.91,31.82) 23.59,36.14 23.59,40.76 25.62,42.79 25.62,45.57 25.88,45.84 26.79,45.84 26.84,45.89 26.84,48.81 26.4,49.24 J3.16
  Bottom w0.2: U7.3 26.17,26.44 27.91,28.18 v1(27.91,31.82)
/I_SENSE_5V: length 30.1
  Top w0.25: v1(28.67,31.26) 28.67,32.02 24.05,36.65 24.05,40.51 26.28,42.74 v1(26.28,43.86) ; v1(24.15,43.86) 24.15,44.62 24.3,44.77 24.3,45.82 24.05,46.08 24.05,47.1 24.19,47.24 J3.12
  Bottom w0.2: v1(28.67,31.26) 28.67,27.17 26.67,25.17 U7.2
  Bottom w0.25: v1(26.28,43.86) v1(24.15,43.86)
/I_SENSE_BATT: length 25.3
  Top w0.2: v1(38.78,16.07) 38.48,15.77 36.21,15.77 v1(34.75,17.23) ; J3.31 38.49,13.45 38.78,13.74 v1(38.78,14.29)
  Bottom w0.2: v1(38.78,14.29) v1(38.78,16.07) ; v1(34.75,17.23) 35.77,17.23 38.22,19.68 38.22,20.44 32.53,26.13 32.53,27.2 32.02,27.71 U7.11
/ICSDAT: length 22
  Top w0.2: v1(31.41,33.85) 31.11,33.55 31.11,25.83 v1(29.74,24.45)
  Top w0.4: J6.4 v1(39.95,33.85)
  Bottom w0.2: v1(39.95,33.85) v1(31.41,33.85)
  Bottom w0.4: U7.13 30.67,25.17 29.96,24.45 v1(29.74,24.45)
/ICSPCLK: length 21.2
  Top w0.2: v1(32.41,35.12) 31.08,35.12 30.24,34.28 30.24,26.89 v1(29.79,26.44)
  Top w0.4: J6.6 v1(40,35.12)
  Bottom w0.2: v1(40,35.12) v1(32.41,35.12)
  Bottom w0.4: U7.12 v1(29.79,26.44)
/IO_EN: length 24.2
  Top w0.2: U1.8 40.2,18.56 40.52,18.24 40.52,17.51 40.15,17.14 39.24,17.14 37.87,18.51 37.87,19.93 v1(37.51,20.29) ; U3.37 34.24,33.98 32.84,32.57 v1(32.84,24.96)
  Bottom w0.2: v1(37.51,20.29) v1(32.84,24.96)
/ISET: length 30.6
  Top w0.2: J3.30 34.24,11.62 33.89,11.97 33.89,14.29 34.61,15.01 41.87,15.01 43.37,16.51 43.37,20.11 43.53,20.26 43.53,24.33 42.81,25.04 39.14,25.04 37.92,23.82 U3.29
/MCLR: length 30.1
  Top w0.2: v1(24.12,24.4) 24.42,24.7 28.62,24.7 28.82,24.91 28.82,27.15 29.28,27.6 v1(29.28,33.04)
  Top w0.4: J6.2 v1(40,32.58)
  Bottom w0.2: v1(40,32.58) 29.74,32.58 v1(29.28,33.04) ; v1(24.12,24.4) 24.12,26.56 25.27,27.71 U7.4
/P1: length 51.2
  Top w0.2: v1(25.17,53.26) 24.1,53.26 23.59,52.75 23.59,51.53 24.38,50.74 J3.19 ; v1(30.3,53.16) 31.77,53.16 33.7,51.23 33.7,34.21 32.23,32.74 32.23,24.71 32.63,24.3 v1(32.63,22.32)
  Top w0.4: R5.2 32.66,15.49 U3.24 32.66,19.33 v1(32.63,19.35)
  Bottom w0.2: v1(30.3,53.16) 29.9,53.56 25.47,53.56 v1(25.17,53.26)
  Bottom w0.4: v1(32.63,22.32) v1(32.63,19.35)
/RX_ARDUINO: length 4.9
  Top w0.25: U3.28 37.91,22.55 38.65,21.81 U1.2 ; TP10.1 37.99,22.49
  Top w0.3: 37.99,22.49 37.97,22.49
/RX_DEBUG: length 21
  Top w0.2: J1.5 50,23.64 49.24,24.4 47.16,24.4 45.84,25.72 43.46,25.72 TP15.1 42.69,28.1 42.03,28.77 42.03,30.47 41.6,30.91 37.38,30.91 36.64,30.17 U3.34
/S_GLOBO: length 27.8
  Top w0.2: v1(32.82,11.66) 31.41,13.06 31.41,14.8 30.93,15.29 28.8,15.29 v1(28.19,15.9) ; v1(36.95,11.65) 37.49,11.12 J3.32 ; v1(28.19,19.3) 23.03,19.3 19.78,22.55 U3.11
  Bottom w0.2: v1(28.19,19.3) v1(28.19,15.9) ; v1(32.82,11.66) 32.82,11.65 v1(36.95,11.65)
/SCL: length 103.4
  Top w0.2: U3.36 34.24,32.71 33.5,31.96 33.5,22.22 32.99,21.71 32.23,21.71 31.82,22.12 30.04,22.12 29.43,21.51 v1(24.05,21.51) ; v1(18.19,17.67) 17.77,17.67 17.61,17.52 17.61,17.01 16.49,15.89 13.07,15.89 12.84,15.67 v1(12.42,15.67) ; 7.69,36.13 TP8.1 7.58,36.11 ; J3.25 32.78,9.12 31.82,10.08 31.82,11.81 30.98,12.64 30.98,14.42 30.6,14.8 v1(23.08,14.8) ; v1(11.15,22.17) 12.72,22.17 14.92,24.37 U2.3
  Top w0.25: v1(12.42,15.67) 12.67,15.41 IC5.9
  Top w0.3: v1(6.22,12.64) 5.51,13.35 5.51,13.63 ; U2.3 14.92,26.71 v1(15.67,27.45) ; TP8.1 6.35,35.99 v1(6.24,36.11) 6.61,36.48 6.61,37.22
  Top w0.4: v1(12.01,33.55) 12.57,32.99 R1.2 13.27,32.01 v1(13.29,31.98) ; 14.92,25.75 14.96,25.78
  Bottom w0.2: v1(24.05,21.51) 24.05,15.77 v1(23.08,14.8) 19.78,14.8 18.87,15.71 18.87,17.42 18.62,17.67 v1(18.19,17.67) ; v1(6.22,12.64) 9.24,15.67 v1(12.42,15.67) 12.79,16.04 12.79,16.81 10.85,18.76 10.85,21.87 v1(11.15,22.17) ; v1(13.29,31.98) 13.84,31.44 13.84,28.67 13.99,28.52 15.21,28.52 15.67,28.06 v1(15.67,27.45) ; v1(6.24,36.11) 7.42,36.11 9.98,33.55 v1(12.01,33.55)
/SCL_EXT: length 16.5
  Top w0.2: J4.23 7.04,24.03 7.04,24.88 7.89,25.72 9.46,25.72 10.19,26.46 10.19,27.16 v1(10.54,27.5)
  Top w0.4: v1(14.96,27.91) 14.92,27.94 U2.6
  Bottom w0.2: v1(10.54,27.5) 10.18,27.15 10.18,26.47 10.67,25.98 13.84,25.98 14.96,27.1 v1(14.96,27.91) 14.85,27.81
/SCL_PIC16: length 15.4
  Top w0.3: R2.2 39.18,25.89 38.37,25.09 U3.30
  Top w0.4: v1(37.82,28.09) R2.2
  Bottom w0.2: v1(37.82,28.09) 37.82,28.11 36.11,29.81 32.41,29.81 31.57,28.98 U7.10
/SCLK: length 44.7
  Top w0.2: v1(20.14,15.51) 20.14,14.58 22.66,12.06 28.62,12.06 29.93,10.75 29.93,9.58 31.05,8.47 31.05,4.29 31.64,3.7 38.7,3.7 40.66,5.66 40.66,8.86 39.9,9.62 J3.35
  Top w0.25: U4.4 18.11,20.34 U3.13
  Top w0.3: v1(20.14,19.12) 20.14,19.62 19.74,20.01 U3.13
  Bottom w0.2: v1(20.14,15.51) v1(20.14,19.12)
/SDA: length 97.1
  Top w0.2: U2.2 14.27,24.43 12.67,22.83 11.4,22.83 ; v1(14.29,15.24) 14.72,15.24 14.99,15.51 16.81,15.51 v1(18.19,16.89) ; J3.26 32.9,9.62 32.42,10.09 v1(32.42,10.98) ; 11.4,22.83 11.35,22.88 11.35,34.21 v1(11.4,34.26) ; 11.4,22.83 10.64,22.83 10.33,22.52 10.33,21.71 10.59,21.46 v1(11.6,21.46) ; 5.05,36.14 v1(5.4,36.14) ; v1(30.35,14.09) 30.2,13.94 v1(23.18,13.94) ; U3.33 34.24,28.9 33.95,28.61 33.95,21.81 33.35,21.21 32.07,21.21 31.77,21.51 v1(30.35,21.51)
  Top w0.25: v1(14.29,15.24) 14.23,15.24 13.82,14.82 IC5.11 ; 8.43,12.69 8.43,12.67 v1(8.4,12.64)
  Top w0.3: 4.62,36.14 4.61,36.14 4.61,36.14 ; 4.62,36.14 3.75,36.14 TP7.1 ; 4.62,36.14 v1(5.4,36.14) 5.4,36.48 IC4.2 ; 8.43,13.7 8.43,12.69
  Top w0.4: v1(11.4,34.26) 11.86,34.72 R4.2
  Bottom w0.2: v1(11.4,34.26) 9.93,34.26 7.5,36.69 5.95,36.69 v1(5.4,36.14) ; v1(14.29,15.24) 14.29,16.23 11.6,18.92 v1(11.6,21.46) ; v1(23.18,13.94) 19.98,13.94 18.19,15.73 v1(18.19,16.89) ; v1(32.42,10.98) 32.41,10.99 30.96,10.99 30.35,11.6 v1(30.35,14.09) v1(30.35,21.51)
  Bottom w0.25: v1(8.4,12.64) 8.4,13.99 9.42,15.01 13.01,15.01 13.24,15.24 v1(14.29,15.24)
/SDA_EXT: length 15.4
  Top w0.2: v1(10.77,26.74) 10.77,24.18 9.77,23.18 8.1,23.18 7.04,22.13 7.04,21.49 J4.24
  Top w0.4: v1(13.99,27.15) 14.27,27.43 U2.7
  Bottom w0.2: v1(13.99,27.15) 13.28,26.44 11.07,26.44 v1(10.77,26.74)
/SDA_PIC16: length 15.9
  Top w0.3: R3.2 v1(37.36,29.76) 37.05,29.46 37.05,26.4 37.09,26.36 ; TP13.1 37.66,26.36 37.09,26.36 ; 37.09,26.36 U3.31 36.74,26.36
  Bottom w0.2: U7.9 36.88,30.25 v1(37.36,29.76)
/SDI: length 45
  Top w0.2: J3.37 39.49,8.62 39.8,8.32 39.8,6.01 38.25,4.46 34.82,4.46 32.25,7.03 32.25,8.96 31.34,9.88 31.34,11.68 29.79,13.23 28.47,13.23 28.21,12.97 23.18,12.97 22.5,13.66 U3.16 22.5,18.94 21.76,19.68 v1(21.71,19.68)
  Top w0.25: v1(16.68,19.43) 16.27,19.84 U4.3
  Bottom w0.2: v1(16.68,19.43) 15.87,20.24 15.87,21.46 16.33,21.91 16.99,21.91 18.92,19.98 21.41,19.98 v1(21.71,19.68)
/SDO: length 45.9
  Top w0.2: U3.14 19.64,18.74 20.19,18.2 20.19,16.48 20.8,15.87 20.8,14.46 22.74,12.52 28.32,12.52 28.63,12.82 29.61,12.82 30.75,11.68 30.75,9.93 31.85,8.83 31.85,5.79 v1(32.94,4.69) ; v1(32.94,3.1) 38.82,3.1 41.12,5.4 41.12,9.06 40.06,10.12 J3.34
  Top w0.25: U4.2 15.77,19.34 16.37,18.74 U3.14
  Bottom w0.2: v1(32.94,3.1) v1(32.94,4.69)
/SPI_BUFFER_EN: length 6.1
  Top w0.2: U4.8 13.89,22.63 14.24,22.98 15.87,22.98 17.57,21.28 U3.12
/TX_ARDUINO: length 4
  Top w0.2: TP11.1 37.39,20.94
  Top w0.25: U3.27 36.72,21.28 37.06,20.94 U1.3
/TX_DEBUG: length 19.8
  Top w0.2: J1.4 49.78,26.18 48.93,27.03 46.92,27.03 45.69,28.26 43.07,28.26 42.41,28.93 42.41,30.1 42.79,30.49 TP14.1 41.95,31.19 41.7,31.44 U3.35
/V_SENSE_3V3: length 24.5
  Top w0.25: J3.15 26.29,48.74 26.41,48.63 26.41,46.33 26.36,46.27 25.6,46.27 25.19,45.86 25.19,43.02 23.16,40.99 23.16,35.76 27.2,31.72 v1(27.2,31.01)
  Bottom w0.2: U7.6 25.27,30.25
  Bottom w0.3: v1(27.2,31.01) 26.44,30.25 U7.6
/V_SENSE_5V: length 20.3
  Top w0.25: J3.11 24.76,46.26 24.76,43.25 22.73,41.22 22.73,35.43 24.35,33.8 v1(24.35,30.8)
  Bottom w0.3: v1(24.35,30.8) 24.35,29.89 25.27,28.98 U7.5
Net-(C3-Pad1): length 24.4
  Top w0.3: Y1.1 21.46,44.87 21.56,44.77 21.56,25.62 21.03,25.09 U3.9
  Top w0.4: C3.1 22.71,44.87 Y1.1
Net-(C4-Pad1): length 23.6
  Top w0.3: U3.8 20.72,26.36 21.05,26.69 21.05,42.95 19.14,44.86 Y1.4
  Top w0.4: C4.1 19.12,44.85 Y1.4
Net-(IC3-Pad7): length 13.7
  Top w0.25: 18.92,6.01 19.58,7.44 19.88,7.54 20.85,7.13 21.05,7.23 21.15,7.44 21.05,7.64 19.12,8.45 18.92,8.35 16.17,9.52 16.07,9.72 16.17,9.93 16.38,10.03 19.12,8.86 19.53,9.01 19.78,9.62
Net-(IC3-Pad8): length 13.5
  Top w0.25: 20.29,9.52 20.04,8.91 20.24,8.5 22.63,7.49 22.63,4.54 21.91,3.83 21.36,3.83 18.16,5.1 18,5.51 18.56,6.78
Net-(IC3-Pad10): length 8.1
  Top w0.2: R8.1 18.01,12.67 19.83,12.67 21.86,10.64 21.86,9.88 21.56,9.57 20.95,9.82

## Copper pours and planes (outline as drawn; the poured copper is in the pictures)
GND on Top: 31.11,50.06 31.11,51.58 26.39,51.58 26.39,50.06
GND on Top: 39.29,6.93 36.39,6.93 36.39,8.25 39.29,8.25
GND on Top: 32.58,6.93 35.68,6.93 35.68,8.25 32.58,8.25
GND on Bottom: 2.15,41.32 10.84,51.38 22.27,55.09 33.19,54.93 41.78,52.24 47.01,47.72 50.41,43.05 53.97,37.05 55.49,29.74 54.27,19.93 51.58,12.31 47.01,5.61 41.63,2.05 27.15,-1.91 17.5,-1.61 8.91,3.22 1.95,9.98 -1.05,21.61 -1.35,29.53 -0.18,37.15 1.7,41.17
+BATT on Top: 31.16,47.01 31.16,48.89 27.91,48.89 27.91,47.01
+BATT on Bottom: 31.16,47.01 31.16,48.89 29.64,48.89 29.64,47.01

## Text on the board
F.SilkS: SCLK | SDO | SDA | SCL | SDI | CS | CanSat Platform | PCB_C v1.0 | DAT | CLK | MCLR | - | GND | 3V3 | EN | IO0 | TX | RX | ICSP
